# KiCad board tekskey-rounded.kicad_pcb (continued)
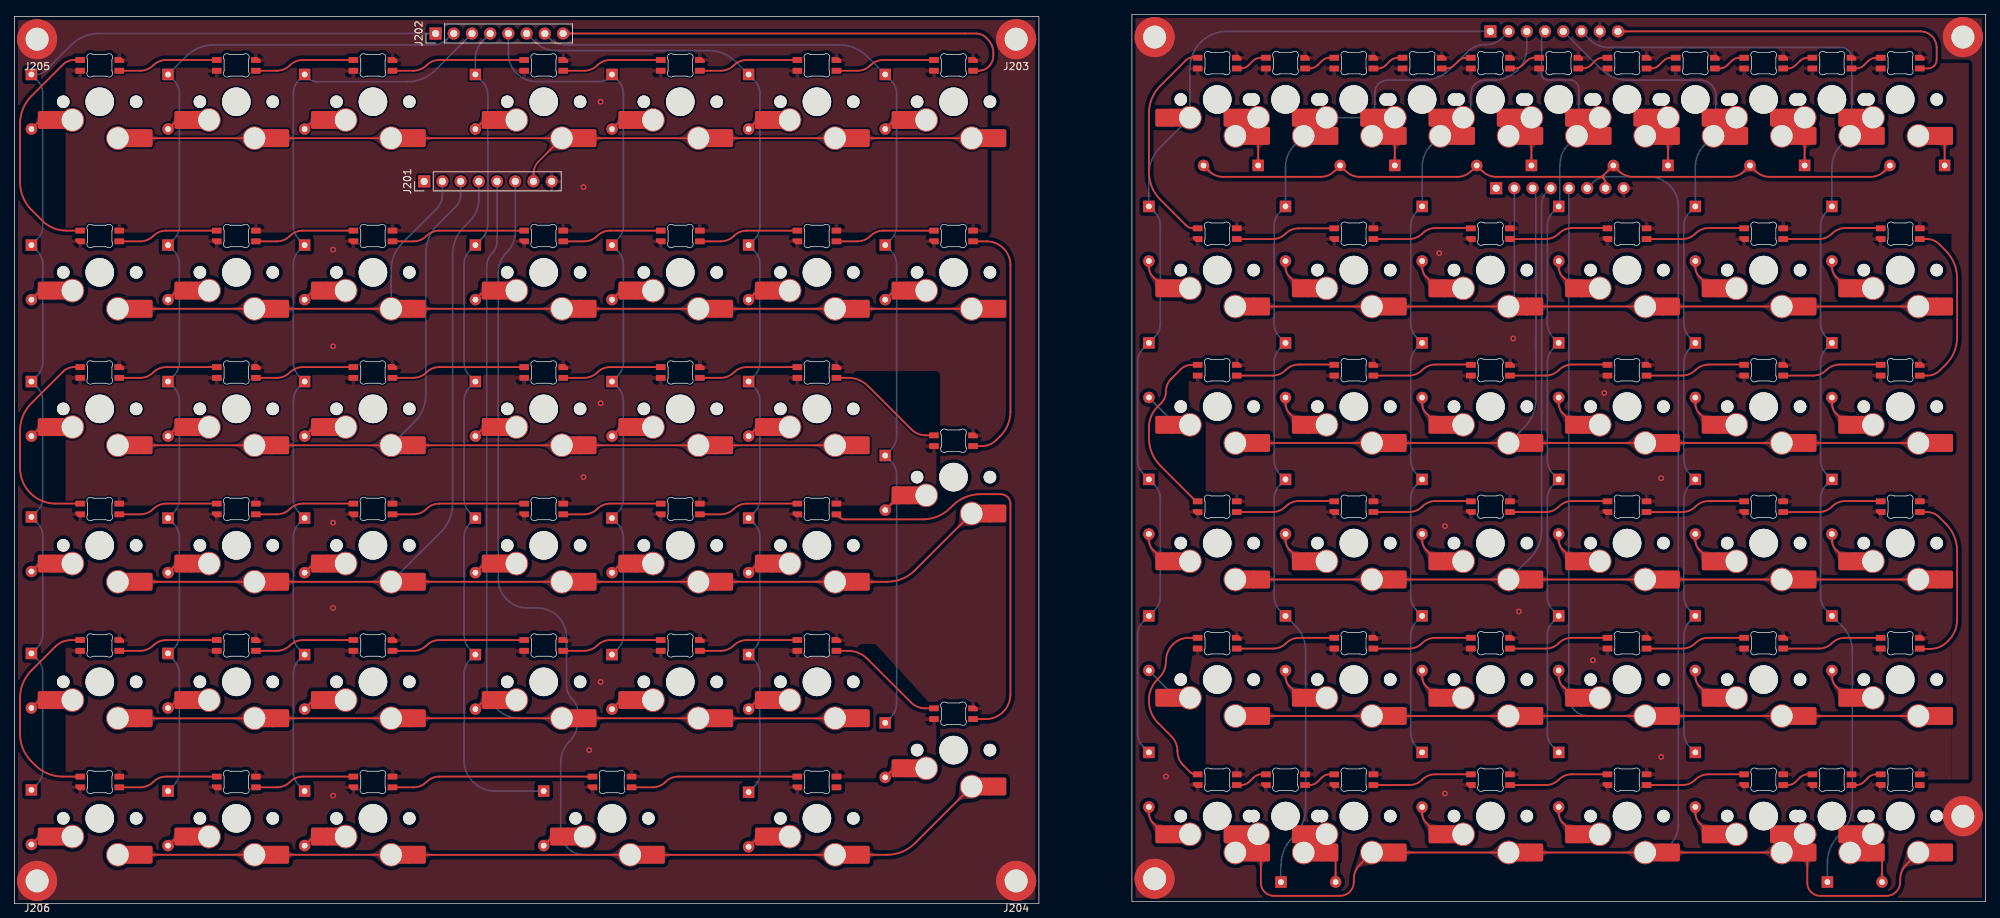
[diagram p0: board, top side]
## Copper pours and planes (outline as drawn; the poured copper is in the pictures) (continued)
nrow0 on Top: 73.07,106.71 73.46,106.69 73.78,106.63 74.04,106.53 74.27,106.4 74.46,106.25 74.65,106.08 74.84,105.9 75.06,105.71 75.32,105.53 75.64,105.35 77.18,106.84 75.64,108.32 75.32,108.15 75.06,107.97 74.84,107.78 74.65,107.6 74.46,107.43 74.27,107.28 74.04,107.15 73.78,107.05 73.46,106.99 73.07,106.96
nrow0 on Top: 130.22,106.71 130.61,106.69 130.93,106.63 131.19,106.53 131.42,106.4 131.61,106.25 131.8,106.08 131.99,105.9 132.21,105.71 132.47,105.53 132.79,105.35 134.33,106.84 132.79,108.32 132.47,108.15 132.21,107.97 131.99,107.78 131.8,107.6 131.61,107.43 131.42,107.28 131.19,107.15 130.93,107.05 130.61,106.99 130.22,106.96
nrow0 on Top: 111.17,106.71 111.56,106.69 111.88,106.63 112.14,106.53 112.37,106.4 112.56,106.25 112.75,106.08 112.94,105.9 113.16,105.71 113.42,105.53 113.74,105.35 115.28,106.84 113.74,108.32 113.42,108.15 113.16,107.97 112.94,107.78 112.75,107.6 112.56,107.43 112.37,107.28 112.14,107.15 111.88,107.05 111.56,106.99 111.17,106.96
nrow0 on Top: 74.12,104.42 74.42,104.69 74.69,104.87 74.94,104.98 75.19,105.05 75.44,105.08 75.69,105.09 75.95,105.1 76.24,105.13 76.55,105.18 76.9,105.28 76.94,107.42 74.8,107.38 74.7,107.03 74.65,106.72 74.62,106.43 74.61,106.17 74.6,105.92 74.57,105.67 74.5,105.42 74.39,105.17 74.21,104.9 73.94,104.6
nrow0 on Top: 101.45,106.96 101.15,106.98 100.91,107.03 100.71,107.1 100.54,107.19 100.39,107.3 100.25,107.43 100.1,107.56 99.94,107.7 99.74,107.83 99.5,107.96 98.33,106.84 99.5,105.71 99.74,105.84 99.94,105.98 100.1,106.12 100.25,106.25 100.39,106.37 100.54,106.48 100.71,106.58 100.91,106.65 101.15,106.7 101.45,106.71
nrow0 on Top: 82.4,106.96 82.1,106.98 81.86,107.03 81.66,107.1 81.49,107.19 81.34,107.3 81.2,107.43 81.05,107.56 80.89,107.7 80.69,107.83 80.45,107.96 79.28,106.84 80.45,105.71 80.69,105.84 80.89,105.98 81.05,106.12 81.2,106.25 81.34,106.37 81.49,106.48 81.66,106.58 81.86,106.65 82.1,106.7 82.4,106.71
nrow0 on Top: 20.49,106.96 20.19,106.98 19.95,107.03 19.75,107.1 19.58,107.19 19.43,107.3 19.29,107.43 19.14,107.56 18.97,107.7 18.78,107.83 18.54,107.96 17.37,106.84 18.54,105.71 18.78,105.84 18.97,105.98 19.14,106.12 19.29,106.25 19.43,106.37 19.58,106.48 19.75,106.58 19.95,106.65 20.19,106.7 20.49,106.71
nrow1 on Top: 120.5,83.15 120.2,83.17 119.96,83.21 119.76,83.29 119.59,83.38 119.44,83.49 119.3,83.62 119.15,83.75 118.99,83.88 118.79,84.02 118.55,84.15 117.38,83.03 118.55,81.9 118.79,82.03 118.99,82.17 119.15,82.3 119.3,82.44 119.44,82.56 119.59,82.67 119.76,82.77 119.96,82.84 120.2,82.88 120.5,82.9
nrow1 on Top: 58.59,83.15 58.29,83.17 58.05,83.21 57.85,83.29 57.68,83.38 57.53,83.49 57.39,83.62 57.24,83.75 57.07,83.88 56.88,84.02 56.64,84.15 55.47,83.03 56.64,81.9 56.88,82.03 57.07,82.17 57.24,82.3 57.39,82.44 57.53,82.56 57.68,82.67 57.85,82.77 58.05,82.84 58.29,82.88 58.59,82.9
nrow1 on Top: 49.26,82.9 49.65,82.88 49.97,82.81 50.23,82.71 50.45,82.59 50.65,82.43 50.84,82.26 51.03,82.08 51.25,81.9 51.51,81.72 51.83,81.54 53.37,83.03 51.83,84.51 51.51,84.34 51.25,84.15 51.03,83.97 50.84,83.79 50.65,83.62 50.45,83.47 50.23,83.34 49.97,83.24 49.65,83.17 49.26,83.15
nrow1 on Top: 82.4,83.15 82.1,83.17 81.86,83.21 81.66,83.29 81.49,83.38 81.34,83.49 81.2,83.62 81.05,83.75 80.89,83.88 80.69,84.02 80.45,84.15 79.28,83.03 80.45,81.9 80.69,82.03 80.89,82.17 81.05,82.3 81.2,82.44 81.34,82.56 81.49,82.67 81.66,82.77 81.86,82.84 82.1,82.88 82.4,82.9
nrow1 on Top: 39.54,83.15 39.24,83.17 39,83.21 38.8,83.29 38.63,83.38 38.48,83.49 38.34,83.62 38.19,83.75 38.02,83.88 37.83,84.02 37.59,84.15 36.42,83.03 37.59,81.9 37.83,82.03 38.02,82.17 38.19,82.3 38.34,82.44 38.48,82.56 38.63,82.67 38.8,82.77 39,82.84 39.24,82.88 39.54,82.9
nrow1 on Top: 73.07,82.9 73.46,82.88 73.78,82.81 74.04,82.71 74.27,82.59 74.46,82.43 74.65,82.26 74.84,82.08 75.06,81.9 75.32,81.72 75.64,81.54 77.18,83.03 75.64,84.51 75.32,84.34 75.06,84.15 74.84,83.97 74.65,83.79 74.46,83.62 74.27,83.47 74.04,83.34 73.78,83.24 73.46,83.17 73.07,83.15
nrow1 on Top: 20.49,83.15 20.19,83.17 19.95,83.21 19.75,83.29 19.58,83.38 19.43,83.49 19.29,83.62 19.14,83.75 18.97,83.88 18.78,84.02 18.54,84.15 17.37,83.03 18.54,81.9 18.78,82.03 18.97,82.17 19.14,82.3 19.29,82.44 19.43,82.56 19.58,82.67 19.75,82.77 19.95,82.84 20.19,82.88 20.49,82.9
nrow1 on Top: 92.12,82.9 92.51,82.88 92.83,82.81 93.09,82.71 93.32,82.59 93.51,82.43 93.7,82.26 93.89,82.08 94.11,81.9 94.37,81.72 94.69,81.54 96.23,83.03 94.69,84.51 94.37,84.34 94.11,84.15 93.89,83.97 93.7,83.79 93.51,83.62 93.32,83.47 93.09,83.34 92.83,83.24 92.51,83.17 92.12,83.15
nrow1 on Top: 130.22,82.9 130.61,82.88 130.93,82.81 131.19,82.71 131.42,82.59 131.61,82.43 131.8,82.26 131.99,82.08 132.21,81.9 132.47,81.72 132.79,81.54 134.33,83.03 132.79,84.51 132.47,84.34 132.21,84.15 131.99,83.97 131.8,83.79 131.61,83.62 131.42,83.47 131.19,83.34 130.93,83.24 130.61,83.17 130.22,83.15
nrow1 on Top: 111.17,82.9 111.56,82.88 111.88,82.81 112.14,82.71 112.37,82.59 112.56,82.43 112.75,82.26 112.94,82.08 113.16,81.9 113.42,81.72 113.74,81.54 115.28,83.03 113.74,84.51 113.42,84.34 113.16,84.15 112.94,83.97 112.75,83.79 112.56,83.62 112.37,83.47 112.14,83.34 111.88,83.24 111.56,83.17 111.17,83.15
nrow1 on Top: 30.21,82.9 30.6,82.88 30.92,82.81 31.18,82.71 31.4,82.59 31.6,82.43 31.79,82.26 31.98,82.08 32.2,81.9 32.46,81.72 32.78,81.54 34.32,83.03 32.78,84.51 32.46,84.34 32.2,84.15 31.98,83.97 31.79,83.79 31.6,83.62 31.4,83.47 31.18,83.34 30.92,83.24 30.6,83.17 30.21,83.15
nrow1 on Top: 101.45,83.15 101.15,83.17 100.91,83.21 100.71,83.29 100.54,83.38 100.39,83.49 100.25,83.62 100.1,83.75 99.94,83.88 99.74,84.02 99.5,84.15 98.33,83.03 99.5,81.9 99.74,82.03 99.94,82.17 100.1,82.3 100.25,82.44 100.39,82.56 100.54,82.67 100.71,82.77 100.91,82.84 101.15,82.88 101.45,82.9
nrow1 on Bottom: 52.42,86.32 52.4,85.92 52.33,85.6 52.23,85.34 52.11,85.12 51.95,84.92 51.78,84.74 51.6,84.54 51.42,84.32 51.24,84.06 51.06,83.75 52.55,82.2 54.03,83.75 53.86,84.06 53.67,84.32 53.49,84.54 53.31,84.74 53.14,84.92 52.99,85.12 52.86,85.34 52.76,85.6 52.69,85.92 52.67,86.32
nrow1 on Bottom: 59.82,99.1 59.83,99.3 59.85,99.47 59.9,99.61 59.96,99.72 60.03,99.83 60.11,99.93 60.19,100.03 60.28,100.14 60.37,100.28 60.46,100.44 59.69,101.23 58.93,100.44 59.01,100.28 59.1,100.14 59.19,100.03 59.27,99.93 59.35,99.83 59.42,99.72 59.48,99.61 59.53,99.47 59.55,99.3 59.57,99.1
nrow2 on Top: 73.07,63.85 73.46,63.83 73.78,63.76 74.04,63.66 74.27,63.54 74.46,63.38 74.65,63.21 74.84,63.03 75.06,62.85 75.32,62.67 75.64,62.49 77.18,63.98 75.64,65.46 75.32,65.29 75.06,65.1 74.84,64.92 74.65,64.74 74.46,64.57 74.27,64.42 74.04,64.29 73.78,64.19 73.46,64.12 73.07,64.1
nrow2 on Top: 49.26,63.85 49.65,63.83 49.97,63.76 50.23,63.66 50.45,63.54 50.65,63.38 50.84,63.21 51.03,63.03 51.25,62.85 51.51,62.67 51.83,62.49 53.37,63.98 51.83,65.46 51.51,65.29 51.25,65.1 51.03,64.92 50.84,64.74 50.65,64.57 50.45,64.42 50.23,64.29 49.97,64.19 49.65,64.12 49.26,64.1
nrow2 on Top: 111.17,63.85 111.56,63.83 111.88,63.76 112.14,63.66 112.37,63.54 112.56,63.38 112.75,63.21 112.94,63.03 113.16,62.85 113.42,62.67 113.74,62.49 115.28,63.98 113.74,65.46 113.42,65.29 113.16,65.1 112.94,64.92 112.75,64.74 112.56,64.57 112.37,64.42 112.14,64.29 111.88,64.19 111.56,64.12 111.17,64.1
nrow2 on Top: 82.4,64.1 82.1,64.12 81.86,64.16 81.66,64.24 81.49,64.33 81.34,64.44 81.2,64.57 81.05,64.7 80.89,64.83 80.69,64.97 80.45,65.1 79.28,63.98 80.45,62.85 80.69,62.98 80.89,63.12 81.05,63.25 81.2,63.39 81.34,63.51 81.49,63.62 81.66,63.72 81.86,63.79 82.1,63.83 82.4,63.85
nrow2 on Top: 101.45,64.1 101.15,64.12 100.91,64.16 100.71,64.24 100.54,64.33 100.39,64.44 100.25,64.57 100.1,64.7 99.94,64.83 99.74,64.97 99.5,65.1 98.33,63.98 99.5,62.85 99.74,62.98 99.94,63.12 100.1,63.25 100.25,63.39 100.39,63.51 100.54,63.62 100.71,63.72 100.91,63.79 101.15,63.83 101.45,63.85
nrow2 on Top: 39.54,64.1 39.24,64.12 39,64.16 38.8,64.24 38.63,64.33 38.48,64.44 38.34,64.57 38.19,64.7 38.02,64.83 37.83,64.97 37.59,65.1 36.42,63.98 37.59,62.85 37.83,62.98 38.02,63.12 38.19,63.25 38.34,63.39 38.48,63.51 38.63,63.62 38.8,63.72 39,63.79 39.24,63.83 39.54,63.85
nrow2 on Top: 30.21,63.85 30.6,63.83 30.92,63.76 31.18,63.66 31.4,63.54 31.6,63.38 31.79,63.21 31.98,63.03 32.2,62.85 32.46,62.67 32.78,62.49 34.32,63.98 32.78,65.46 32.46,65.29 32.2,65.1 31.98,64.92 31.79,64.74 31.6,64.57 31.4,64.42 31.18,64.29 30.92,64.19 30.6,64.12 30.21,64.1
nrow2 on Top: 20.49,64.1 20.19,64.12 19.95,64.16 19.75,64.24 19.58,64.33 19.43,64.44 19.29,64.57 19.14,64.7 18.97,64.83 18.78,64.97 18.54,65.1 17.37,63.98 18.54,62.85 18.78,62.98 18.97,63.12 19.14,63.25 19.29,63.39 19.43,63.51 19.58,63.62 19.75,63.72 19.95,63.79 20.19,63.83 20.49,63.85
nrow2 on Top: 92.12,63.85 92.51,63.83 92.83,63.76 93.09,63.66 93.32,63.54 93.51,63.38 93.7,63.21 93.89,63.03 94.11,62.85 94.37,62.67 94.69,62.49 96.23,63.98 94.69,65.46 94.37,65.29 94.11,65.1 93.89,64.92 93.7,64.74 93.51,64.57 93.32,64.42 93.09,64.29 92.83,64.19 92.51,64.12 92.12,64.1
nrow2 on Top: 58.59,64.1 58.29,64.12 58.05,64.16 57.85,64.24 57.68,64.33 57.53,64.44 57.39,64.57 57.24,64.7 57.07,64.83 56.88,64.97 56.64,65.1 55.47,63.98 56.64,62.85 56.88,62.98 57.07,63.12 57.24,63.25 57.39,63.39 57.53,63.51 57.68,63.62 57.85,63.72 58.05,63.79 58.29,63.83 58.59,63.85
nrow2 on Bottom: 54.78,66.39 54.49,66.13 54.22,65.95 53.96,65.83 53.71,65.77 53.47,65.74 53.22,65.72 52.95,65.71 52.67,65.69 52.35,65.63 52,65.53 51.96,63.39 54.1,63.43 54.2,63.78 54.26,64.1 54.28,64.38 54.29,64.65 54.31,64.9 54.34,65.14 54.4,65.39 54.52,65.65 54.7,65.92 54.96,66.21
nrow2 on Bottom: 62.36,99.1 62.37,99.3 62.39,99.47 62.44,99.61 62.5,99.72 62.57,99.83 62.65,99.93 62.73,100.03 62.82,100.14 62.91,100.28 63,100.44 62.23,101.23 61.47,100.44 61.55,100.28 61.64,100.14 61.73,100.03 61.81,99.93 61.89,99.83 61.96,99.72 62.02,99.61 62.07,99.47 62.09,99.3 62.11,99.1
nrow3 on Top: 73.07,44.8 73.46,44.78 73.78,44.71 74.04,44.61 74.27,44.49 74.46,44.33 74.65,44.16 74.84,43.98 75.06,43.8 75.32,43.62 75.64,43.44 77.18,44.93 75.64,46.41 75.32,46.24 75.06,46.05 74.84,45.87 74.65,45.69 74.46,45.52 74.27,45.37 74.04,45.24 73.78,45.14 73.46,45.07 73.07,45.05
nrow3 on Top: 111.17,44.8 111.56,44.78 111.88,44.71 112.14,44.61 112.37,44.49 112.56,44.33 112.75,44.16 112.94,43.98 113.16,43.8 113.42,43.62 113.74,43.44 115.28,44.93 113.74,46.41 113.42,46.24 113.16,46.05 112.94,45.87 112.75,45.69 112.56,45.52 112.37,45.37 112.14,45.24 111.88,45.14 111.56,45.07 111.17,45.05
nrow3 on Top: 120.5,45.05 120.2,45.07 119.96,45.11 119.76,45.19 119.59,45.28 119.44,45.39 119.3,45.52 119.15,45.65 118.99,45.78 118.79,45.92 118.55,46.05 117.38,44.93 118.55,43.8 118.79,43.93 118.99,44.07 119.15,44.2 119.3,44.34 119.44,44.46 119.59,44.57 119.76,44.67 119.96,44.74 120.2,44.78 120.5,44.8
nrow3 on Top: 92.12,44.8 92.51,44.78 92.83,44.71 93.09,44.61 93.32,44.49 93.51,44.33 93.7,44.16 93.89,43.98 94.11,43.8 94.37,43.62 94.69,43.44 96.23,44.93 94.69,46.41 94.37,46.24 94.11,46.05 93.89,45.87 93.7,45.69 93.51,45.52 93.32,45.37 93.09,45.24 92.83,45.14 92.51,45.07 92.12,45.05
nrow3 on Top: 20.49,45.05 20.19,45.07 19.95,45.11 19.75,45.19 19.58,45.28 19.43,45.39 19.29,45.52 19.14,45.65 18.97,45.78 18.78,45.92 18.54,46.05 17.37,44.93 18.54,43.8 18.78,43.93 18.97,44.07 19.14,44.2 19.29,44.34 19.43,44.46 19.58,44.57 19.75,44.67 19.95,44.74 20.19,44.78 20.49,44.8
nrow3 on Top: 82.4,45.05 82.1,45.07 81.86,45.11 81.66,45.19 81.49,45.28 81.34,45.39 81.2,45.52 81.05,45.65 80.89,45.78 80.69,45.92 80.45,46.05 79.28,44.93 80.45,43.8 80.69,43.93 80.89,44.07 81.05,44.2 81.2,44.34 81.34,44.46 81.49,44.57 81.66,44.67 81.86,44.74 82.1,44.78 82.4,44.8
nrow3 on Top: 49.26,44.8 49.65,44.78 49.97,44.71 50.23,44.61 50.45,44.49 50.65,44.33 50.84,44.16 51.03,43.98 51.25,43.8 51.51,43.62 51.83,43.44 53.37,44.93 51.83,46.41 51.51,46.24 51.25,46.05 51.03,45.87 50.84,45.69 50.65,45.52 50.45,45.37 50.23,45.24 49.97,45.14 49.65,45.07 49.26,45.05
nrow3 on Top: 58.59,45.05 58.29,45.07 58.05,45.11 57.85,45.19 57.68,45.28 57.53,45.39 57.39,45.52 57.24,45.65 57.07,45.78 56.88,45.92 56.64,46.05 55.47,44.93 56.64,43.8 56.88,43.93 57.07,44.07 57.24,44.2 57.39,44.34 57.53,44.46 57.68,44.57 57.85,44.67 58.05,44.74 58.29,44.78 58.59,44.8
nrow3 on Top: 131.27,52.04 131.57,52.3 131.84,52.48 132.09,52.59 132.34,52.66 132.59,52.69 132.84,52.7 133.1,52.71 133.39,52.74 133.7,52.79 134.05,52.89 134.09,55.03 131.95,54.99 131.85,54.64 131.8,54.33 131.77,54.05 131.76,53.78 131.75,53.53 131.72,53.28 131.65,53.04 131.54,52.78 131.36,52.51 131.09,52.21
nrow3 on Top: 39.54,45.05 39.24,45.07 39,45.11 38.8,45.19 38.63,45.28 38.48,45.39 38.34,45.52 38.19,45.65 38.02,45.78 37.83,45.92 37.59,46.05 36.42,44.93 37.59,43.8 37.83,43.93 38.02,44.07 38.19,44.2 38.34,44.34 38.48,44.46 38.63,44.57 38.8,44.67 39,44.74 39.24,44.78 39.54,44.8
nrow3 on Top: 101.45,45.05 101.15,45.07 100.91,45.11 100.71,45.19 100.54,45.28 100.39,45.39 100.25,45.52 100.1,45.65 99.94,45.78 99.74,45.92 99.5,46.05 98.33,44.93 99.5,43.8 99.74,43.93 99.94,44.07 100.1,44.2 100.25,44.34 100.39,44.46 100.54,44.57 100.71,44.67 100.91,44.74 101.15,44.78 101.45,44.8
nrow3 on Top: 30.21,44.8 30.6,44.78 30.92,44.71 31.18,44.61 31.4,44.49 31.6,44.33 31.79,44.16 31.98,43.98 32.2,43.8 32.46,43.62 32.78,43.44 34.32,44.93 32.78,46.41 32.46,46.24 32.2,46.05 31.98,45.87 31.79,45.69 31.6,45.52 31.4,45.37 31.18,45.24 30.92,45.14 30.6,45.07 30.21,45.05
nrow3 on Bottom: 64.89,99.1 64.91,99.3 64.93,99.47 64.98,99.61 65.04,99.72 65.11,99.83 65.19,99.93 65.27,100.03 65.36,100.14 65.45,100.28 65.53,100.44 64.77,101.23 64,100.44 64.09,100.28 64.18,100.14 64.27,100.03 64.35,99.93 64.43,99.83 64.5,99.72 64.56,99.61 64.61,99.47 64.63,99.3 64.64,99.1
nrow3 on Bottom: 54.78,47.34 54.49,47.08 54.22,46.9 53.96,46.78 53.71,46.72 53.47,46.69 53.22,46.67 52.95,46.66 52.67,46.64 52.35,46.58 52,46.48 51.96,44.34 54.1,44.38 54.2,44.73 54.26,45.05 54.28,45.33 54.29,45.6 54.31,45.85 54.34,46.09 54.4,46.34 54.52,46.6 54.7,46.87 54.96,47.16
nrow4 on Top: 73.07,25.75 73.46,25.73 73.78,25.66 74.04,25.56 74.27,25.44 74.46,25.28 74.65,25.11 74.84,24.93 75.06,24.75 75.32,24.57 75.64,24.39 77.18,25.88 75.64,27.36 75.32,27.19 75.06,27 74.84,26.82 74.65,26.64 74.46,26.47 74.27,26.32 74.04,26.19 73.78,26.09 73.46,26.02 73.07,26
nrow4 on Top: 49.26,25.75 49.65,25.73 49.97,25.66 50.23,25.56 50.45,25.44 50.65,25.28 50.84,25.11 51.03,24.93 51.25,24.75 51.51,24.57 51.83,24.39 53.37,25.88 51.83,27.36 51.51,27.19 51.25,27 51.03,26.82 50.84,26.64 50.65,26.47 50.45,26.32 50.23,26.19 49.97,26.09 49.65,26.02 49.26,26
nrow4 on Top: 82.4,26 82.1,26.02 81.86,26.06 81.66,26.14 81.49,26.23 81.34,26.34 81.2,26.47 81.05,26.6 80.89,26.73 80.69,26.87 80.45,27 79.28,25.88 80.45,24.75 80.69,24.88 80.89,25.02 81.05,25.15 81.2,25.29 81.34,25.41 81.49,25.52 81.66,25.62 81.86,25.69 82.1,25.73 82.4,25.75
nrow4 on Top: 20.5,25.99 20.2,26 19.96,26.05 19.76,26.12 19.59,26.22 19.44,26.33 19.3,26.45 19.15,26.59 18.99,26.72 18.79,26.86 18.55,27 17.37,25.88 18.53,24.75 18.77,24.87 18.97,25.01 19.14,25.14 19.29,25.28 19.43,25.4 19.59,25.51 19.76,25.6 19.96,25.67 20.2,25.72 20.5,25.74
nrow4 on Top: 30.19,25.74 30.59,25.71 30.91,25.65 31.18,25.55 31.4,25.42 31.6,25.27 31.79,25.1 31.98,24.92 32.21,24.74 32.47,24.56 32.79,24.39 34.32,25.88 32.76,27.36 32.45,27.18 32.19,26.99 31.97,26.81 31.78,26.62 31.59,26.46 31.39,26.3 31.17,26.17 30.91,26.07 30.59,26.01 30.19,25.99
nrow4 on Top: 111.15,25.74 111.55,25.71 111.87,25.65 112.14,25.55 112.36,25.42 112.56,25.27 112.75,25.1 112.95,24.92 113.17,24.74 113.43,24.56 113.75,24.39 115.28,25.88 113.73,27.36 113.41,27.18 113.15,26.99 112.93,26.81 112.74,26.62 112.55,26.46 112.35,26.3 112.13,26.17 111.87,26.07 111.55,26.01 111.15,25.99
nrow4 on Top: 58.59,26 58.29,26.02 58.05,26.06 57.85,26.14 57.68,26.23 57.53,26.34 57.39,26.47 57.24,26.6 57.07,26.73 56.88,26.87 56.64,27 55.47,25.88 56.64,24.75 56.88,24.88 57.07,25.02 57.24,25.15 57.39,25.29 57.53,25.41 57.68,25.52 57.85,25.62 58.05,25.69 58.29,25.73 58.59,25.75
nrow4 on Top: 39.54,26 39.24,26.02 39,26.06 38.8,26.14 38.63,26.23 38.48,26.34 38.34,26.47 38.19,26.6 38.02,26.73 37.83,26.87 37.59,27 36.42,25.88 37.59,24.75 37.83,24.88 38.02,25.02 38.19,25.15 38.34,25.29 38.48,25.41 38.63,25.52 38.8,25.62 39,25.69 39.24,25.73 39.54,25.75
nrow4 on Top: 92.12,25.75 92.51,25.73 92.83,25.66 93.09,25.56 93.32,25.44 93.51,25.28 93.7,25.11 93.89,24.93 94.11,24.75 94.37,24.57 94.69,24.39 96.23,25.88 94.69,27.36 94.37,27.19 94.11,27 93.89,26.82 93.7,26.64 93.51,26.47 93.32,26.32 93.09,26.19 92.83,26.09 92.51,26.02 92.12,26
nrow4 on Top: 101.46,25.99 101.17,26 100.92,26.05 100.72,26.12 100.55,26.22 100.41,26.33 100.26,26.45 100.11,26.59 99.95,26.72 99.75,26.86 99.52,27 98.33,25.88 99.49,24.75 99.73,24.87 99.93,25.01 100.1,25.14 100.25,25.28 100.4,25.4 100.55,25.51 100.72,25.6 100.92,25.67 101.16,25.72 101.46,25.74
nrow4 on Bottom: 67.44,99.1 67.45,99.3 67.47,99.47 67.52,99.61 67.58,99.72 67.65,99.83 67.73,99.93 67.81,100.03 67.9,100.14 67.99,100.28 68.08,100.44 67.31,101.23 66.55,100.44 66.63,100.28 66.72,100.14 66.81,100.03 66.89,99.93 66.97,99.83 67.04,99.72 67.1,99.61 67.15,99.47 67.17,99.3 67.19,99.1
nrow4 on Bottom: 73.07,25.75 73.46,25.73 73.78,25.66 74.04,25.56 74.27,25.44 74.46,25.28 74.65,25.11 74.84,24.93 75.06,24.75 75.32,24.57 75.64,24.39 77.18,25.88 75.64,27.36 75.32,27.19 75.06,27 74.84,26.82 74.65,26.64 74.46,26.47 74.27,26.32 74.04,26.19 73.78,26.09 73.46,26.02 73.07,26
nrow5 on Top: 30.21,6.7 30.6,6.68 30.92,6.61 31.18,6.51 31.4,6.39 31.6,6.23 31.79,6.06 31.98,5.88 32.2,5.7 32.46,5.52 32.78,5.34 34.32,6.83 32.78,8.31 32.46,8.14 32.2,7.95 31.98,7.77 31.79,7.59 31.6,7.42 31.4,7.27 31.18,7.14 30.92,7.04 30.6,6.97 30.21,6.95
nrow5 on Top: 91.94,6.94 91.64,6.95 91.4,7 91.2,7.07 91.03,7.17 90.88,7.28 90.74,7.4 90.59,7.54 90.42,7.67 90.23,7.81 89.99,7.95 88.81,6.83 89.97,5.7 90.21,5.82 90.41,5.96 90.57,6.09 90.73,6.23 90.87,6.35 91.02,6.46 91.19,6.55 91.39,6.62 91.64,6.67 91.94,6.69
nrow5 on Top: 20.49,6.95 20.19,6.97 19.95,7.01 19.75,7.09 19.58,7.18 19.43,7.29 19.29,7.42 19.14,7.55 18.97,7.68 18.78,7.82 18.54,7.95 17.37,6.83 18.54,5.7 18.78,5.83 18.97,5.97 19.14,6.1 19.29,6.24 19.43,6.36 19.58,6.47 19.75,6.57 19.95,6.64 20.19,6.68 20.49,6.7
nrow5 on Top: 120.5,6.95 120.2,6.97 119.96,7.01 119.76,7.09 119.59,7.18 119.44,7.29 119.3,7.42 119.15,7.55 118.99,7.68 118.79,7.82 118.55,7.95 117.38,6.83 118.55,5.7 118.79,5.83 118.99,5.97 119.15,6.1 119.3,6.24 119.44,6.36 119.59,6.47 119.76,6.57 119.96,6.64 120.2,6.68 120.5,6.7
nrow5 on Top: 131.27,13.94 131.57,14.2 131.84,14.38 132.09,14.49 132.34,14.56 132.59,14.59 132.84,14.6 133.1,14.61 133.39,14.64 133.7,14.69 134.05,14.79 134.09,16.93 131.95,16.89 131.85,16.54 131.8,16.23 131.77,15.95 131.76,15.68 131.75,15.43 131.72,15.18 131.65,14.94 131.54,14.68 131.36,14.41 131.09,14.11
nrow5 on Top: 49.26,6.7 49.65,6.68 49.97,6.61 50.23,6.51 50.45,6.39 50.65,6.23 50.84,6.06 51.03,5.88 51.25,5.7 51.51,5.52 51.83,5.34 53.37,6.83 51.83,8.31 51.51,8.14 51.25,7.95 51.03,7.77 50.84,7.59 50.65,7.42 50.45,7.27 50.23,7.14 49.97,7.04 49.65,6.97 49.26,6.95
nrow5 on Top: 82.58,6.69 82.98,6.66 83.3,6.6 83.56,6.5 83.79,6.37 83.99,6.22 84.17,6.05 84.37,5.87 84.59,5.69 84.86,5.51 85.18,5.34 86.71,6.83 85.15,8.31 84.84,8.13 84.58,7.94 84.36,7.76 84.16,7.57 83.98,7.41 83.78,7.25 83.56,7.12 83.3,7.02 82.97,6.96 82.58,6.94
nrow5 on Top: 39.54,6.95 39.24,6.97 39,7.01 38.8,7.09 38.63,7.18 38.48,7.29 38.34,7.42 38.19,7.55 38.02,7.68 37.83,7.82 37.59,7.95 36.42,6.83 37.59,5.7 37.83,5.83 38.02,5.97 38.19,6.1 38.34,6.24 38.48,6.36 38.63,6.47 38.8,6.57 39,6.64 39.24,6.68 39.54,6.7
nrow5 on Top: 111.15,6.69 111.55,6.66 111.87,6.6 112.14,6.5 112.36,6.37 112.56,6.22 112.75,6.05 112.95,5.87 113.17,5.69 113.43,5.51 113.75,5.34 115.28,6.83 113.73,8.31 113.41,8.13 113.15,7.94 112.93,7.76 112.74,7.57 112.55,7.41 112.35,7.25 112.13,7.12 111.87,7.02 111.55,6.96 111.15,6.94
nrow5 on Top: 58.6,6.94 58.3,6.95 58.06,7 57.86,7.07 57.69,7.17 57.54,7.28 57.4,7.4 57.25,7.54 57.09,7.67 56.89,7.81 56.65,7.95 55.47,6.83 56.63,5.7 56.87,5.82 57.07,5.96 57.24,6.09 57.39,6.23 57.53,6.35 57.69,6.46 57.86,6.55 58.06,6.62 58.3,6.67 58.6,6.69
nrow5 on Bottom: 82.59,6.7 82.99,6.68 83.31,6.61 83.57,6.51 83.79,6.39 83.99,6.23 84.17,6.06 84.37,5.88 84.59,5.7 84.85,5.52 85.16,5.34 86.71,6.83 85.16,8.31 84.85,8.14 84.59,7.95 84.37,7.77 84.17,7.59 83.99,7.42 83.79,7.27 83.57,7.14 83.31,7.04 82.99,6.97 82.59,6.95
nrow5 on Bottom: 69.98,99.1 69.99,99.3 70.01,99.47 70.06,99.61 70.12,99.72 70.19,99.83 70.27,99.93 70.35,100.03 70.44,100.14 70.53,100.28 70.62,100.44 69.85,101.23 69.09,100.44 69.17,100.28 69.26,100.14 69.35,100.03 69.43,99.93 69.51,99.83 69.58,99.72 69.64,99.61 69.69,99.47 69.71,99.3 69.73,99.1
row0 on Top: 224.48,101.87 224.29,101.98 224.15,102.1 224.05,102.22 223.98,102.34 223.93,102.47 223.9,102.61 223.84,102.92 223.8,103.1 223.74,103.29 222.7,103.31 222.72,102.27 222.93,102.21 223.1,102.15 223.39,102.06 223.53,102.02 223.66,101.97 223.8,101.92 223.96,101.85 224.15,101.76 224.36,101.65
row0 on Top: 221.55,101.11 221.6,101.04 221.63,100.97 221.63,100.9 221.61,100.83 221.57,100.76 221.52,100.69 221.46,100.63 221.41,100.58 221.3,100.48 221.9,99.43 222.38,100.54 222.31,100.59 222.26,100.65 222.2,100.71 222.15,100.78 222.04,100.92 221.98,101.01 221.91,101.09 221.82,101.19 221.73,101.29
row0 on Top: 243.53,101.87 243.34,101.98 243.2,102.1 243.1,102.22 243.03,102.34 242.98,102.47 242.95,102.61 242.89,102.92 242.85,103.1 242.79,103.29 241.75,103.31 241.77,102.27 241.98,102.21 242.15,102.15 242.44,102.06 242.58,102.02 242.71,101.97 242.85,101.92 243.01,101.85 243.2,101.76 243.41,101.65
row0 on Top: 167.33,101.87 167.14,101.98 167,102.1 166.9,102.22 166.83,102.34 166.78,102.47 166.75,102.61 166.69,102.92 166.65,103.1 166.59,103.29 165.55,103.31 165.57,102.27 165.78,102.21 165.95,102.15 166.24,102.06 166.38,102.02 166.51,101.97 166.65,101.92 166.81,101.85 167,101.76 167.21,101.65
row0 on Top: 240.66,101.65 240.87,101.76 241.06,101.85 241.22,101.92 241.36,101.97 241.5,102.02 241.63,102.06 241.92,102.15 242.1,102.21 242.3,102.27 242.32,103.31 241.28,103.29 241.22,103.1 241.18,102.92 241.12,102.61 241.09,102.47 241.04,102.34 240.97,102.22 240.87,102.1 240.73,101.98 240.54,101.87
row0 on Top: 260.19,101.65 260.4,101.76 260.58,101.85 260.74,101.92 260.89,101.97 261.02,102.02 261.16,102.06 261.45,102.15 261.62,102.21 261.83,102.27 261.85,103.31 260.81,103.29 260.75,103.1 260.71,102.92 260.65,102.61 260.62,102.47 260.57,102.34 260.5,102.22 260.4,102.1 260.26,101.98 260.07,101.87
row0 on Top: 221.95,101.82 222.09,101.94 222.22,102.03 222.34,102.09 222.45,102.13 222.57,102.15 222.68,102.17 222.81,102.18 222.94,102.2 223.09,102.23 223.25,102.27 223.27,103.31 222.23,103.29 222.18,103.13 222.15,102.98 222.14,102.85 222.12,102.73 222.11,102.61 222.09,102.5 222.05,102.38 221.99,102.26 221.9,102.13 221.77,101.99
row1 on Top: 214.42,83.47 214.12,83.49 213.88,83.53 213.68,83.6 213.52,83.7 213.37,83.81 213.22,83.93 213.08,84.07 212.91,84.2 212.71,84.34 212.48,84.47 211.31,83.34 212.48,82.22 212.71,82.35 212.91,82.49 213.08,82.62 213.22,82.75 213.37,82.88 213.52,82.99 213.68,83.08 213.88,83.16 214.12,83.2 214.42,83.22
row1 on Top: 243.19,83.22 243.59,83.2 243.9,83.13 244.17,83.03 244.39,82.9 244.58,82.75 244.77,82.58 244.97,82.4 245.19,82.22 245.45,82.03 245.76,81.86 247.31,83.34 245.76,84.83 245.45,84.65 245.19,84.47 244.97,84.29 244.77,84.11 244.58,83.94 244.39,83.78 244.17,83.66 243.9,83.56 243.59,83.49 243.19,83.47
row1 on Top: 205.09,83.22 205.49,83.2 205.8,83.13 206.07,83.03 206.29,82.9 206.48,82.75 206.67,82.58 206.87,82.4 207.09,82.22 207.35,82.03 207.66,81.86 209.21,83.34 207.66,84.83 207.35,84.65 207.09,84.47 206.87,84.29 206.67,84.11 206.48,83.94 206.29,83.78 206.07,83.66 205.8,83.56 205.49,83.49 205.09,83.47
row1 on Top: 176.32,83.47 176.02,83.49 175.78,83.53 175.58,83.6 175.42,83.7 175.27,83.81 175.12,83.93 174.98,84.07 174.81,84.2 174.61,84.34 174.38,84.47 173.21,83.34 174.38,82.22 174.61,82.35 174.81,82.49 174.98,82.62 175.12,82.75 175.27,82.88 175.42,82.99 175.58,83.08 175.78,83.16 176.02,83.2 176.32,83.22
row1 on Top: 262.24,83.22 262.64,83.2 262.95,83.13 263.22,83.03 263.44,82.9 263.63,82.75 263.82,82.58 264.02,82.4 264.24,82.22 264.5,82.03 264.81,81.86 266.36,83.34 264.81,84.83 264.5,84.65 264.24,84.47 264.02,84.29 263.82,84.11 263.63,83.94 263.44,83.78 263.22,83.66 262.95,83.56 262.64,83.49 262.24,83.47
row1 on Top: 186.04,83.22 186.44,83.2 186.75,83.13 187.02,83.03 187.24,82.9 187.43,82.75 187.62,82.58 187.82,82.4 188.04,82.22 188.3,82.03 188.61,81.86 190.16,83.34 188.61,84.83 188.3,84.65 188.04,84.47 187.82,84.29 187.62,84.11 187.43,83.94 187.24,83.78 187.02,83.66 186.75,83.56 186.44,83.49 186.04,83.47
row1 on Top: 252.52,83.47 252.22,83.49 251.98,83.53 251.78,83.6 251.62,83.7 251.47,83.81 251.32,83.93 251.18,84.07 251.01,84.2 250.81,84.34 250.58,84.47 249.41,83.34 250.58,82.22 250.81,82.35 251.01,82.49 251.18,82.62 251.32,82.75 251.47,82.88 251.62,82.99 251.78,83.08 251.98,83.16 252.22,83.2 252.52,83.22